# KiCad board SparkFun_RTK_Facet_mosaic_panelized.kicad_pcb
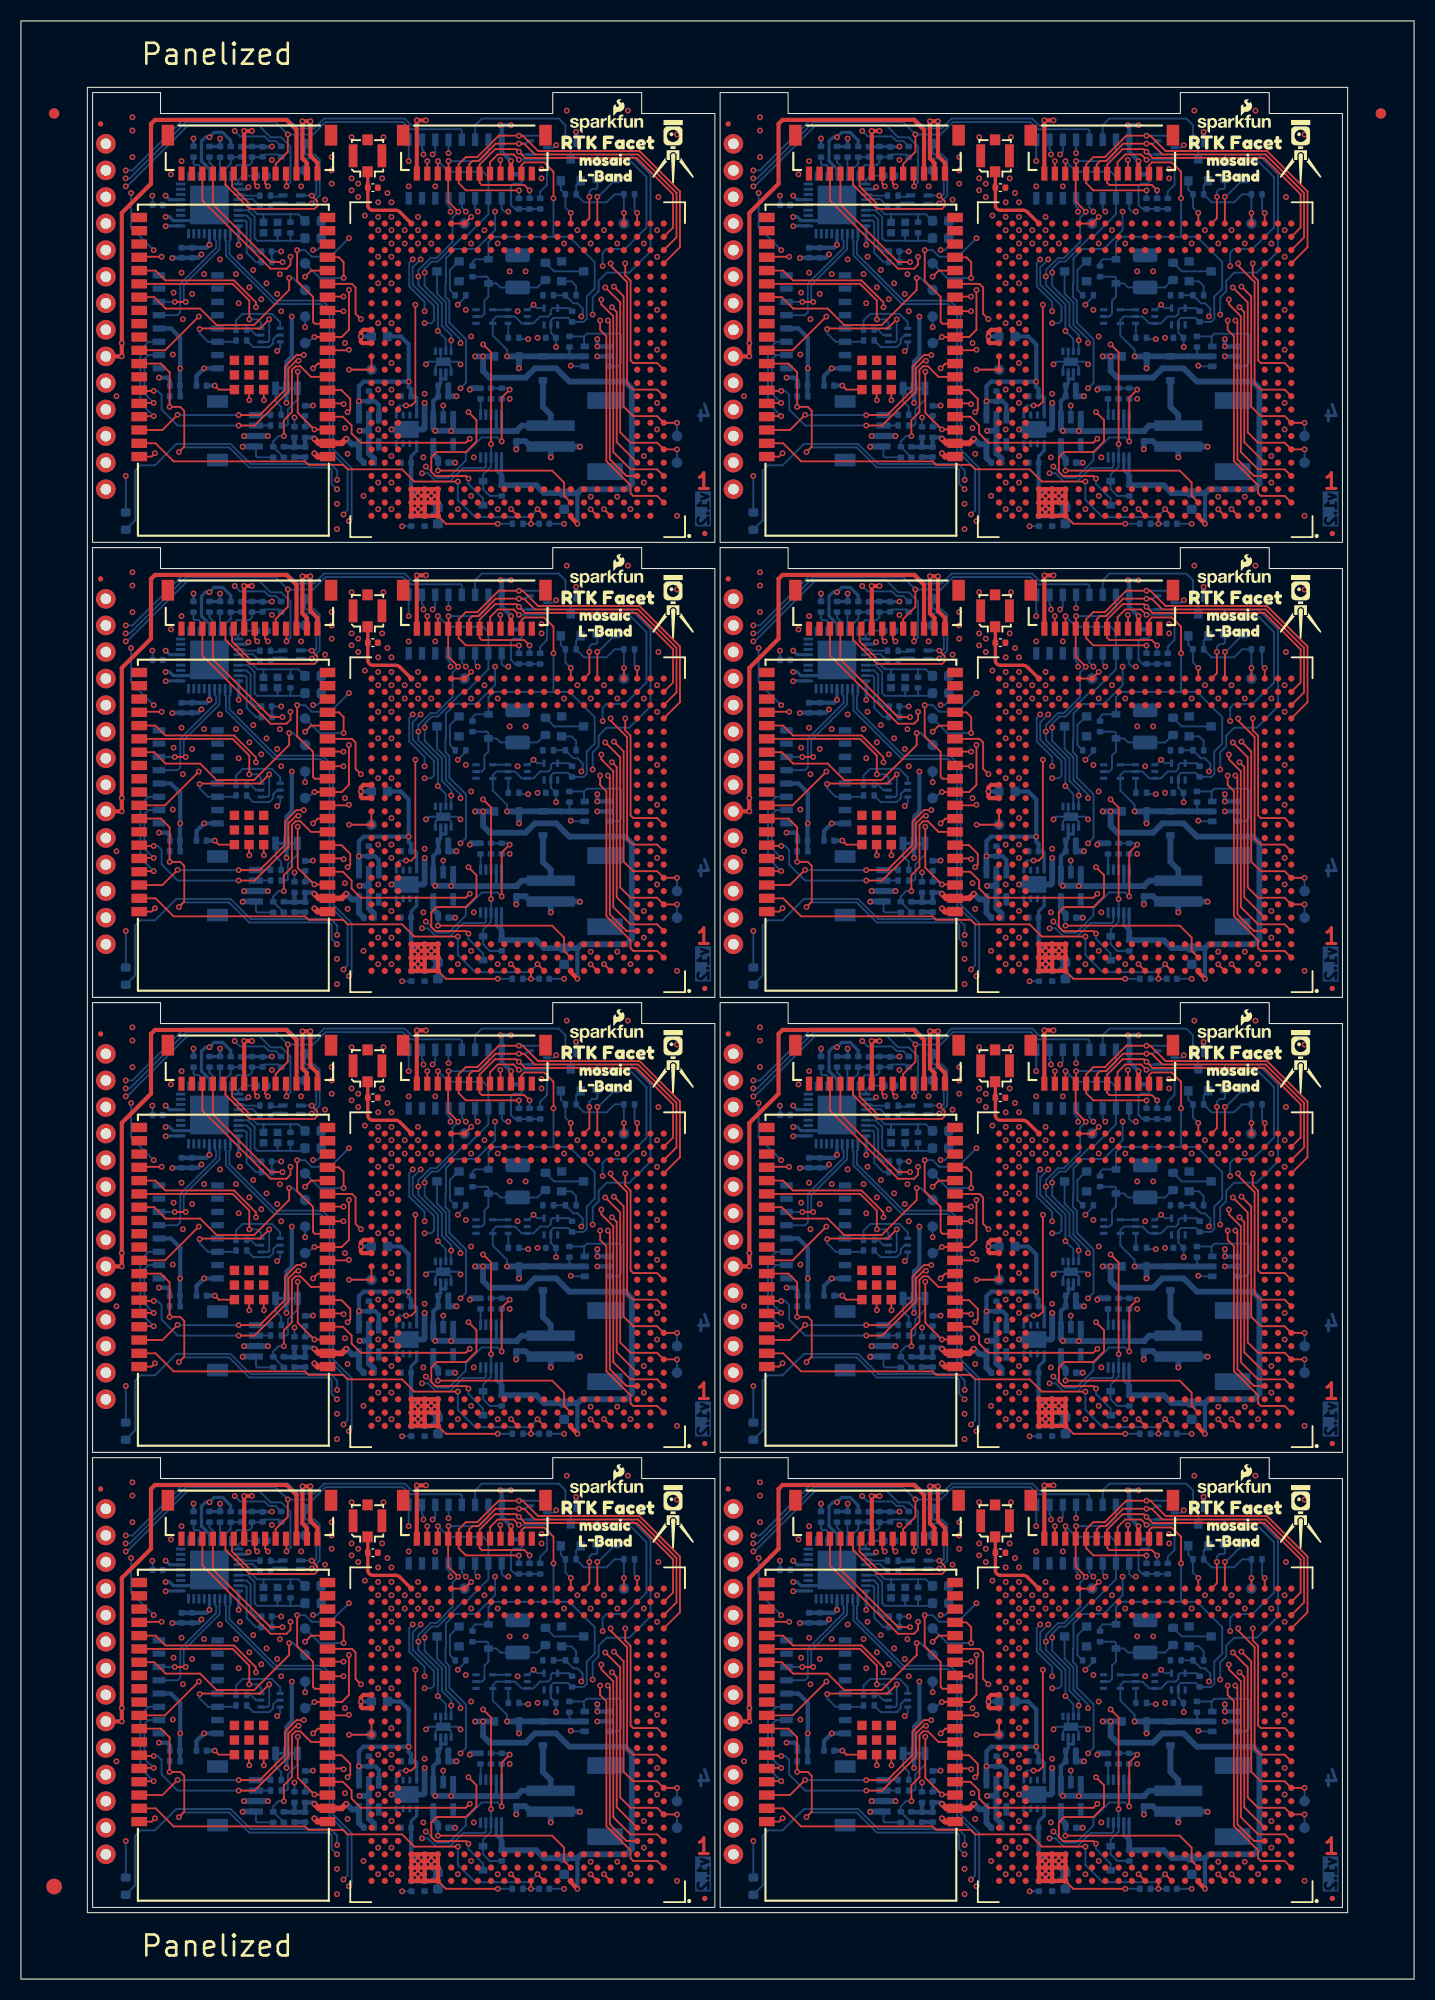
[diagram p0: board, top side]
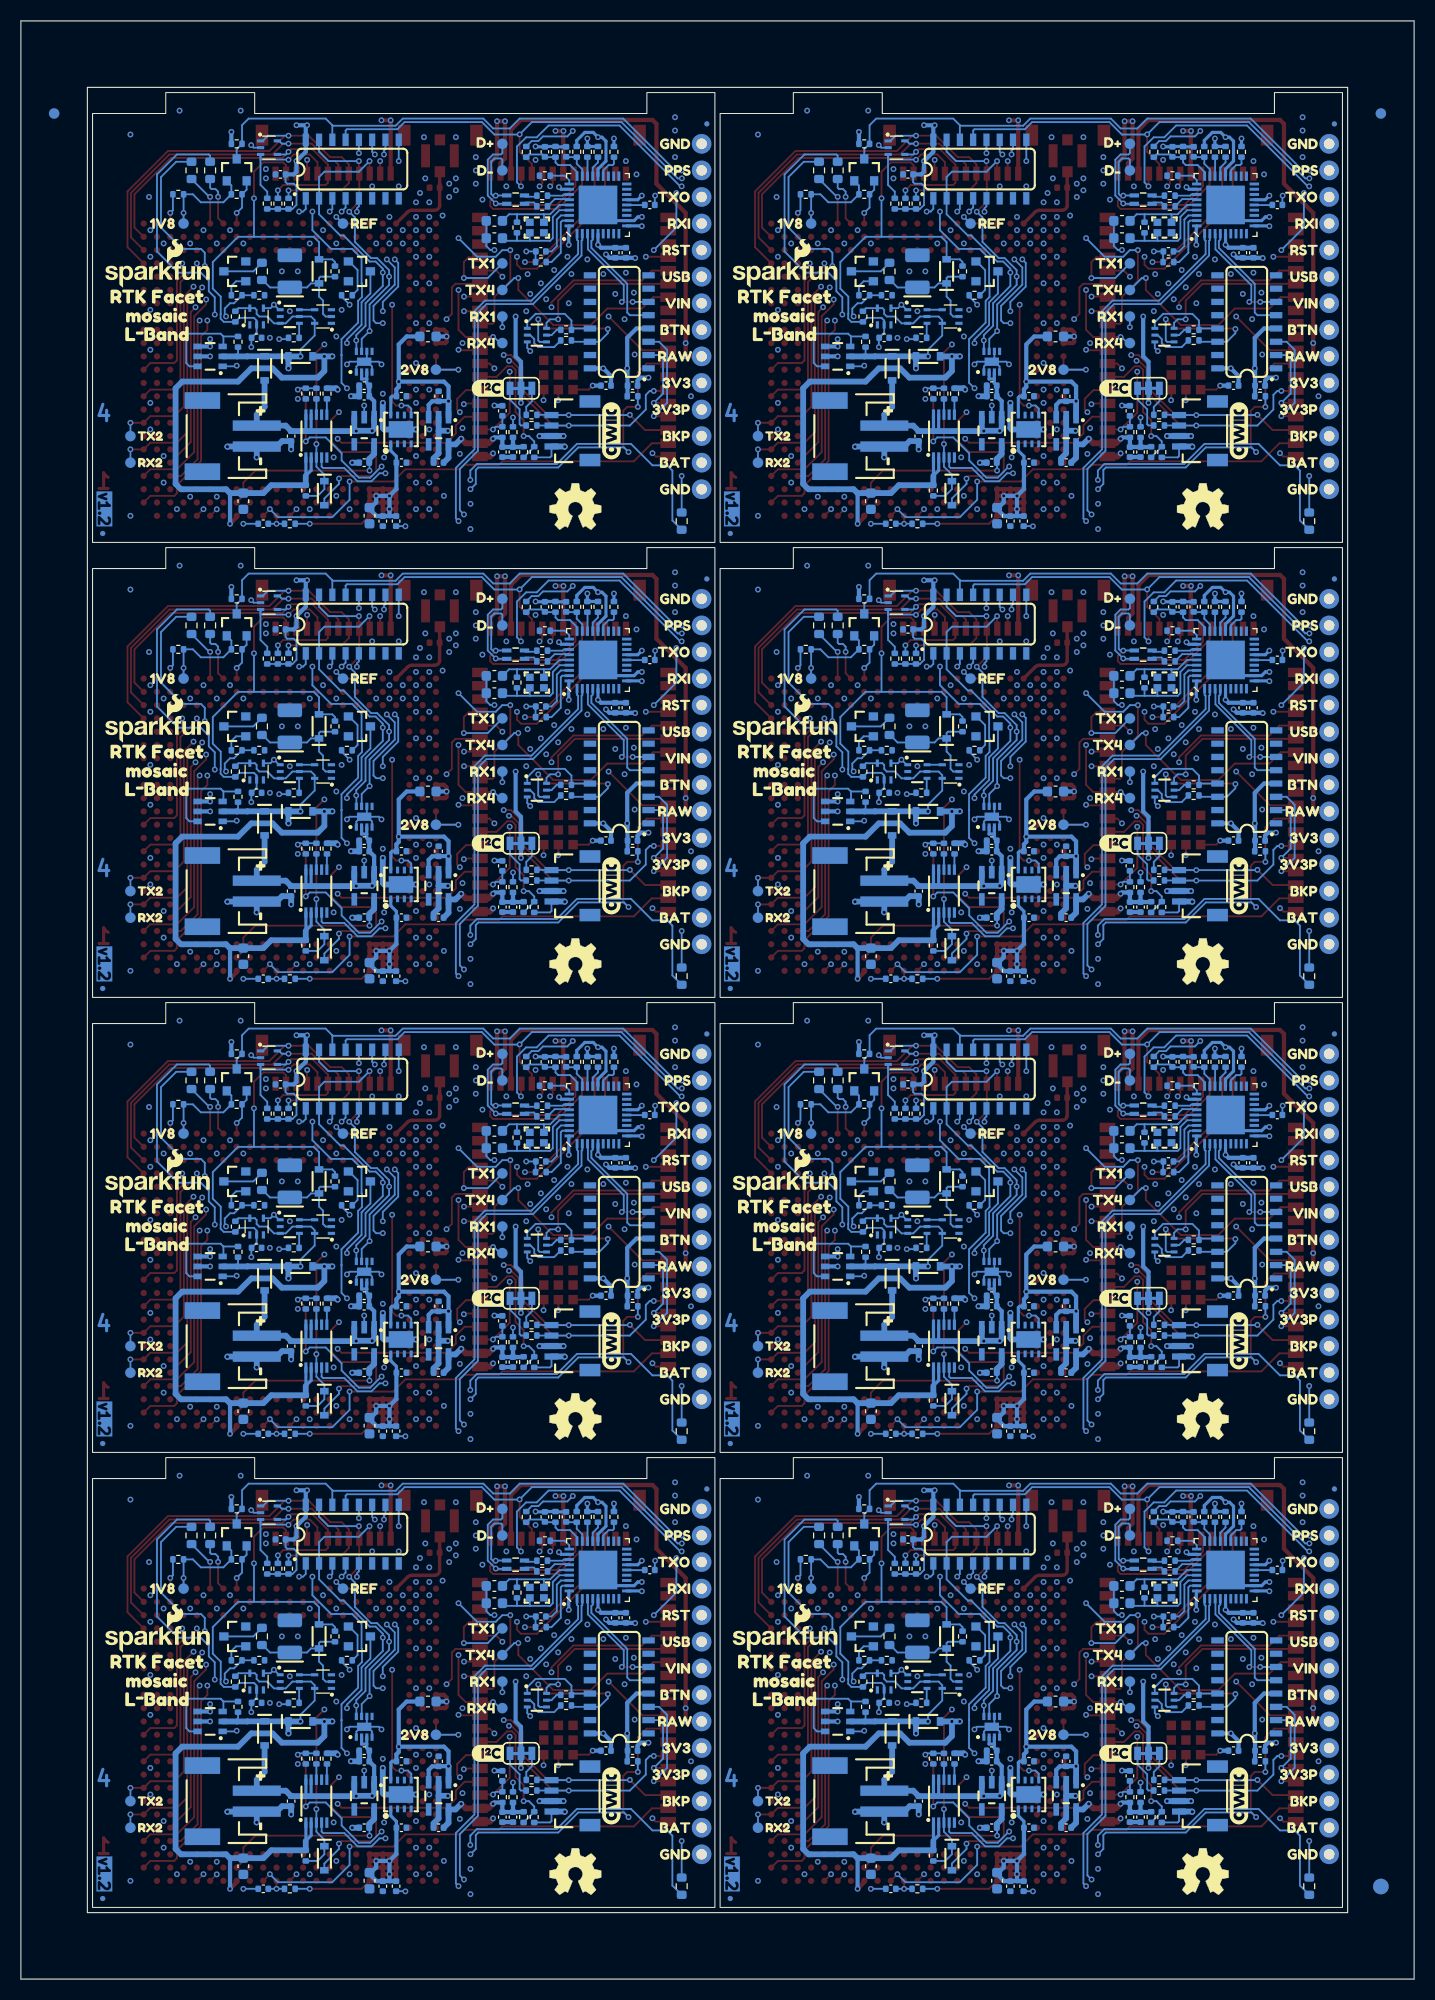
[diagram p1: board, bottom side, seen from below]

Outline 133.2 x 187.2 mm; copper layers: Top, In1.Cu, In2.Cu, Bottom. Coordinates in mm from the lower left corner of the outline.
Outline path: 6.85,137.35 66.35,137.35 66.35,178.35 59.35,178.35 59.35,180.35 50.85,180.35 50.85,178.35 13.35,178.35 13.35,180.35 6.85,180.35 closed ; 6.85,93.85 66.35,93.85 66.35,134.85 59.35,134.85 59.35,136.85 50.85,136.85 50.85,134.85 13.35,134.85 13.35,136.85 6.85,136.85 closed ; 6.85,50.35 66.35,50.35 66.35,91.35 59.35,91.35 59.35,93.35 50.85,93.35 50.85,91.35 13.35,91.35 13.35,93.35 6.85,93.35 closed ; 6.85,6.85 66.35,6.85 66.35,47.85 59.35,47.85 59.35,49.85 50.85,49.85 50.85,47.85 13.35,47.85 13.35,49.85 6.85,49.85 closed ; 66.85,137.35 126.35,137.35 126.35,178.35 119.35,178.35 119.35,180.35 110.85,180.35 110.85,178.35 73.35,178.35 73.35,180.35 66.85,180.35 closed ; 66.85,93.85 126.35,93.85 126.35,134.85 119.35,134.85 119.35,136.85 110.85,136.85 110.85,134.85 73.35,134.85 73.35,136.85 66.85,136.85 closed ; 66.85,50.35 126.35,50.35 126.35,91.35 119.35,91.35 119.35,93.35 110.85,93.35 110.85,91.35 73.35,91.35 73.35,93.35 66.85,93.35 closed ; 66.85,6.85 126.35,6.85 126.35,47.85 119.35,47.85 119.35,49.85 110.85,49.85 110.85,47.85 73.35,47.85 73.35,49.85 66.85,49.85 closed ; 0,187.2 133.2,187.2 133.2,0 0,0 0,187.2 ; 6.35,180.85 126.85,180.85 126.85,6.35 6.35,6.35 6.35,180.85
Stack: Top 0.035mm / dielectric 0.1mm FR4 er 4.5 / In1.Cu 0.035mm / dielectric 1.24mm FR4 er 4.5 / In2.Cu 0.035mm / dielectric 0.1mm FR4 er 4.5 / Bottom 0.035mm

## Placement (name value [footprint] x y rotation side)
C1  10uF  [C_0402_1005Metric]  26.15 15.49 270 bottom
C1#2  10uF  [C_0402_1005Metric]  86.15 58.99 270 bottom
C1#3  10uF  [C_0402_1005Metric]  86.15 102.49 270 bottom
C1#4  10uF  [C_0402_1005Metric]  26.15 102.49 270 bottom
C1#5  10uF  [C_0402_1005Metric]  26.15 58.99 270 bottom
C1#6  10uF  [C_0402_1005Metric]  86.15 145.99 270 bottom
C1#7  10uF  [C_0402_1005Metric]  86.15 15.49 270 bottom
C1#8  10uF  [C_0402_1005Metric]  26.15 145.99 270 bottom
C2  0.1uF  [C_0402_1005Metric]  27.17 15.49 270 bottom
C2#2  0.1uF  [C_0402_1005Metric]  87.17 15.49 270 bottom
C2#3  0.1uF  [C_0402_1005Metric]  27.17 58.99 270 bottom
C2#4  0.1uF  [C_0402_1005Metric]  27.17 145.99 270 bottom
C2#5  0.1uF  [C_0402_1005Metric]  87.17 58.99 270 bottom
C2#6  0.1uF  [C_0402_1005Metric]  27.17 102.49 270 bottom
C2#7  0.1uF  [C_0402_1005Metric]  87.17 145.99 270 bottom
C2#8  0.1uF  [C_0402_1005Metric]  87.17 102.49 270 bottom
C3  0.1uF  [C_0402_1005Metric]  50.03 139.13 0 bottom
C3#2  0.1uF  [C_0402_1005Metric]  110.03 139.13 0 bottom
C3#3  0.1uF  [C_0402_1005Metric]  110.03 8.63 0 bottom
C3#4  0.1uF  [C_0402_1005Metric]  50.03 52.13 0 bottom
C3#5  0.1uF  [C_0402_1005Metric]  50.03 8.63 0 bottom
C3#6  0.1uF  [C_0402_1005Metric]  50.03 95.63 0 bottom
C3#7  0.1uF  [C_0402_1005Metric]  110.03 95.63 0 bottom
C3#8  0.1uF  [C_0402_1005Metric]  110.03 52.13 0 bottom
C4  2.2uF  [C_0402_1005Metric]  14.72 152.34 180 bottom
C4#2  2.2uF  [C_0402_1005Metric]  14.72 108.84 180 bottom
C4#3  2.2uF  [C_0402_1005Metric]  14.72 21.84 180 bottom
C4#4  2.2uF  [C_0402_1005Metric]  74.72 108.84 180 bottom
C4#5  2.2uF  [C_0402_1005Metric]  74.72 152.34 180 bottom
C4#6  2.2uF  [C_0402_1005Metric]  14.72 65.34 180 bottom
C4#7  2.2uF  [C_0402_1005Metric]  74.72 65.34 180 bottom
C4#8  2.2uF  [C_0402_1005Metric]  74.72 21.84 180 bottom
C5  0.1uF  [C_0402_1005Metric]  17.26 152.34 0 bottom
C5#2  0.1uF  [C_0402_1005Metric]  77.26 65.34 0 bottom
C5#3  0.1uF  [C_0402_1005Metric]  77.26 152.34 0 bottom
C5#4  0.1uF  [C_0402_1005Metric]  77.26 108.84 0 bottom
C5#5  0.1uF  [C_0402_1005Metric]  77.26 21.84 0 bottom
C5#6  0.1uF  [C_0402_1005Metric]  17.26 108.84 0 bottom
C5#7  0.1uF  [C_0402_1005Metric]  17.26 65.34 0 bottom
C5#8  0.1uF  [C_0402_1005Metric]  17.26 21.84 0 bottom
C6  0.1uF  [C_0402_1005Metric]  100.38 108.84 0 bottom
C6#2  0.1uF  [C_0402_1005Metric]  100.38 152.34 0 bottom
C6#3  0.1uF  [C_0402_1005Metric]  40.38 65.34 0 bottom
C6#4  0.1uF  [C_0402_1005Metric]  100.38 65.34 0 bottom
C6#5  0.1uF  [C_0402_1005Metric]  40.38 108.84 0 bottom
C6#6  0.1uF  [C_0402_1005Metric]  100.38 21.84 0 bottom
C6#7  0.1uF  [C_0402_1005Metric]  40.38 152.34 0 bottom
C6#8  0.1uF  [C_0402_1005Metric]  40.38 21.84 0 bottom
C7  1.0uF  [C_0402_1005Metric]  36.82 151.32 180 bottom
C7#2  1.0uF  [C_0402_1005Metric]  36.82 107.82 180 bottom
C7#3  1.0uF  [C_0402_1005Metric]  36.82 64.32 180 bottom
C7#4  1.0uF  [C_0402_1005Metric]  36.82 20.82 180 bottom
C7#5  1.0uF  [C_0402_1005Metric]  96.82 64.32 180 bottom
C7#6  1.0uF  [C_0402_1005Metric]  96.82 107.82 180 bottom
C7#7  1.0uF  [C_0402_1005Metric]  96.82 20.82 180 bottom
C7#8  1.0uF  [C_0402_1005Metric]  96.82 151.32 180 bottom
C8  1.0uF  [C_0402_1005Metric]  27.17 19.42 90 bottom
C8#2  1.0uF  [C_0402_1005Metric]  27.17 149.92 90 bottom
C8#3  1.0uF  [C_0402_1005Metric]  87.17 62.92 90 bottom
C8#4  1.0uF  [C_0402_1005Metric]  27.17 106.42 90 bottom
C8#5  1.0uF  [C_0402_1005Metric]  87.17 19.42 90 bottom
C8#6  1.0uF  [C_0402_1005Metric]  27.17 62.92 90 bottom
C8#7  1.0uF  [C_0402_1005Metric]  87.17 149.92 90 bottom
C8#8  1.0uF  [C_0402_1005Metric]  87.17 106.42 90 bottom
C9  2.2uF  [C_0402_1005Metric]  75.36 121.54 270 bottom
C9#2  2.2uF  [C_0402_1005Metric]  15.36 78.04 270 bottom
C9#3  2.2uF  [C_0402_1005Metric]  75.36 78.04 270 bottom
C9#4  2.2uF  [C_0402_1005Metric]  75.36 165.04 270 bottom
C9#5  2.2uF  [C_0402_1005Metric]  75.36 34.54 270 bottom
C9#6  2.2uF  [C_0402_1005Metric]  15.36 121.54 270 bottom
C9#7  2.2uF  [C_0402_1005Metric]  15.36 34.54 270 bottom
C9#8  2.2uF  [C_0402_1005Metric]  15.36 165.04 270 bottom
C10  0.1uF  [C_0402_1005Metric]  83.11 87.69 90 bottom
C10#2  0.1uF  [C_0402_1005Metric]  23.11 174.69 90 bottom
C10#3  0.1uF  [C_0402_1005Metric]  23.11 87.69 90 bottom
C10#4  0.1uF  [C_0402_1005Metric]  83.11 174.69 90 bottom
C10#5  0.1uF  [C_0402_1005Metric]  83.11 44.19 90 bottom
C10#6  0.1uF  [C_0402_1005Metric]  23.11 44.19 90 bottom
C10#7  0.1uF  [C_0402_1005Metric]  83.11 131.19 90 bottom
C10#8  0.1uF  [C_0402_1005Metric]  23.11 131.19 90 bottom
C11  0.1uF  [C_0402_1005Metric]  81.07 131.19 90 bottom
C11#2  0.1uF  [C_0402_1005Metric]  21.07 131.19 90 bottom
C11#3  0.1uF  [C_0402_1005Metric]  21.07 44.19 90 bottom
C11#4  0.1uF  [C_0402_1005Metric]  21.07 87.69 90 bottom
C11#5  0.1uF  [C_0402_1005Metric]  81.07 44.19 90 bottom
C11#6  0.1uF  [C_0402_1005Metric]  21.07 174.69 90 bottom
C11#7  0.1uF  [C_0402_1005Metric]  81.07 174.69 90 bottom
C11#8  0.1uF  [C_0402_1005Metric]  81.07 87.69 90 bottom
C12  0.1uF  [C_0402_1005Metric]  13.07 126.11 180 bottom
C12#2  0.1uF  [C_0402_1005Metric]  13.07 169.61 180 bottom
C12#3  0.1uF  [C_0402_1005Metric]  13.07 82.61 180 bottom
C12#4  0.1uF  [C_0402_1005Metric]  73.07 39.11 180 bottom
C12#5  0.1uF  [C_0402_1005Metric]  13.07 39.11 180 bottom
C12#6  0.1uF  [C_0402_1005Metric]  73.07 169.61 180 bottom
C12#7  0.1uF  [C_0402_1005Metric]  73.07 126.11 180 bottom
C12#8  0.1uF  [C_0402_1005Metric]  73.07 82.61 180 bottom
C13  0.1uF  [C_0402_1005Metric]  23.49 121.66 0 bottom
C13#2  0.1uF  [C_0402_1005Metric]  83.49 78.16 0 bottom
C13#3  0.1uF  [C_0402_1005Metric]  23.49 165.16 0 bottom
C13#4  0.1uF  [C_0402_1005Metric]  23.49 34.66 0 bottom
C13#5  0.1uF  [C_0402_1005Metric]  23.49 78.16 0 bottom
C13#6  0.1uF  [C_0402_1005Metric]  83.49 165.16 0 bottom
C13#7  0.1uF  [C_0402_1005Metric]  83.49 34.66 0 bottom
C13#8  0.1uF  [C_0402_1005Metric]  83.49 121.66 0 bottom
C14  18pF  [C_0603_1608Metric]  87.93 166.43 0 bottom
C14#2  18pF  [C_0603_1608Metric]  27.93 122.93 0 bottom
C14#3  18pF  [C_0603_1608Metric]  27.93 166.43 0 bottom
C14#4  18pF  [C_0603_1608Metric]  87.93 79.43 0 bottom
C14#5  18pF  [C_0603_1608Metric]  87.93 35.93 0 bottom
C14#6  18pF  [C_0603_1608Metric]  27.93 79.43 0 bottom
C14#7  18pF  [C_0603_1608Metric]  87.93 122.93 0 bottom
C14#8  18pF  [C_0603_1608Metric]  27.93 35.93 0 bottom
C15  18pF  [C_0603_1608Metric]  27.93 81.08 0 bottom
C15#2  18pF  [C_0603_1608Metric]  27.93 168.08 0 bottom
C15#3  18pF  [C_0603_1608Metric]  27.93 37.58 0 bottom
C15#4  18pF  [C_0603_1608Metric]  87.93 168.08 0 bottom
C15#5  18pF  [C_0603_1608Metric]  27.93 124.58 0 bottom
C15#6  18pF  [C_0603_1608Metric]  87.93 37.58 0 bottom
C15#7  18pF  [C_0603_1608Metric]  87.93 124.58 0 bottom
C15#8  18pF  [C_0603_1608Metric]  87.93 81.08 0 bottom
C16  4.7uF  [C_0402_1005Metric]  107.36 147.51 270 bottom
C16#2  4.7uF  [C_0402_1005Metric]  47.36 104.01 270 bottom
C16#3  4.7uF  [C_0402_1005Metric]  107.36 104.01 270 bottom
C16#4  4.7uF  [C_0402_1005Metric]  107.36 60.51 270 bottom
C16#5  4.7uF  [C_0402_1005Metric]  47.36 17.01 270 bottom
C16#6  4.7uF  [C_0402_1005Metric]  107.36 17.01 270 bottom
C16#7  4.7uF  [C_0402_1005Metric]  47.36 60.51 270 bottom
C16#8  4.7uF  [C_0402_1005Metric]  47.36 147.51 270 bottom
C17  4.7uF  [C_0603_1608Metric]  111.94 97.79 270 bottom
C17#2  4.7uF  [C_0603_1608Metric]  51.94 54.29 270 bottom
C17#3  4.7uF  [C_0603_1608Metric]  111.94 54.29 270 bottom
C17#4  4.7uF  [C_0603_1608Metric]  51.94 10.79 270 bottom
C17#5  4.7uF  [C_0603_1608Metric]  51.94 141.29 270 bottom
C17#6  4.7uF  [C_0603_1608Metric]  51.94 97.79 270 bottom
C17#7  4.7uF  [C_0603_1608Metric]  111.94 141.29 270 bottom
C17#8  4.7uF  [C_0603_1608Metric]  111.94 10.79 270 bottom
C18  1.0uF  [C_0402_1005Metric]  50.66 69.91 180 bottom
C18#2  1.0uF  [C_0402_1005Metric]  110.66 69.91 180 bottom
C18#3  1.0uF  [C_0402_1005Metric]  50.66 113.41 180 bottom
C18#4  1.0uF  [C_0402_1005Metric]  110.66 156.91 180 bottom
C18#5  1.0uF  [C_0402_1005Metric]  50.66 26.41 180 bottom
C18#6  1.0uF  [C_0402_1005Metric]  110.66 113.41 180 bottom
C18#7  1.0uF  [C_0402_1005Metric]  110.66 26.41 180 bottom
C18#8  1.0uF  [C_0402_1005Metric]  50.66 156.91 180 bottom
C19  47uF  [EIA-3528]  107.49 76.26 90 bottom
C19#2  47uF  [EIA-3528]  107.49 119.76 90 bottom
C19#3  47uF  [EIA-3528]  47.49 76.26 90 bottom
C19#4  47uF  [EIA-3528]  47.49 163.26 90 bottom
C19#5  47uF  [EIA-3528]  47.49 32.76 90 bottom
C19#6  47uF  [EIA-3528]  107.49 32.76 90 bottom
C19#7  47uF  [EIA-3528]  47.49 119.76 90 bottom
C19#8  47uF  [EIA-3528]  107.49 163.26 90 bottom
C21  1.0uF  [C_0402_1005Metric]  36.82 144.97 180 bottom
C21#2  1.0uF  [C_0402_1005Metric]  96.82 14.47 180 bottom
C21#3  1.0uF  [C_0402_1005Metric]  36.82 57.97 180 bottom
C21#4  1.0uF  [C_0402_1005Metric]  96.82 144.97 180 bottom
C21#5  1.0uF  [C_0402_1005Metric]  36.82 101.47 180 bottom
C21#6  1.0uF  [C_0402_1005Metric]  96.82 101.47 180 bottom
C21#7  1.0uF  [C_0402_1005Metric]  96.82 57.97 180 bottom
C21#8  1.0uF  [C_0402_1005Metric]  36.82 14.47 180 bottom
C22  1.0uF  [C_0402_1005Metric]  93.27 107.82 90 bottom
C22#2  1.0uF  [C_0402_1005Metric]  33.27 107.82 90 bottom
C22#3  1.0uF  [C_0402_1005Metric]  93.27 64.32 90 bottom
C22#4  1.0uF  [C_0402_1005Metric]  33.27 20.82 90 bottom
C22#5  1.0uF  [C_0402_1005Metric]  93.27 151.32 90 bottom
C22#6  1.0uF  [C_0402_1005Metric]  93.27 20.82 90 bottom
C22#7  1.0uF  [C_0402_1005Metric]  33.27 151.32 90 bottom
C22#8  1.0uF  [C_0402_1005Metric]  33.27 64.32 90 bottom
C23  1.0uF  [C_0402_1005Metric]  33.27 14.47 0 bottom
C23#2  1.0uF  [C_0402_1005Metric]  93.27 14.47 0 bottom
C23#3  1.0uF  [C_0402_1005Metric]  93.27 144.97 0 bottom
C23#4  1.0uF  [C_0402_1005Metric]  33.27 101.47 0 bottom
C23#5  1.0uF  [C_0402_1005Metric]  33.27 57.97 0 bottom
C23#6  1.0uF  [C_0402_1005Metric]  93.27 101.47 0 bottom
C23#7  1.0uF  [C_0402_1005Metric]  93.27 57.97 0 bottom
C23#8  1.0uF  [C_0402_1005Metric]  33.27 144.97 0 bottom
C24  1.0uF  [C_0402_1005Metric]  40.38 107.82 0 bottom
C24#2  1.0uF  [C_0402_1005Metric]  100.38 64.32 0 bottom
C24#3  1.0uF  [C_0402_1005Metric]  100.38 20.82 0 bottom
C24#4  1.0uF  [C_0402_1005Metric]  100.38 107.82 0 bottom
C24#5  1.0uF  [C_0402_1005Metric]  40.38 151.32 0 bottom
C24#6  1.0uF  [C_0402_1005Metric]  100.38 151.32 0 bottom
C24#7  1.0uF  [C_0402_1005Metric]  40.38 20.82 0 bottom
C24#8  1.0uF  [C_0402_1005Metric]  40.38 64.32 0 bottom
C25  1.0uF  [C_0402_1005Metric]  100.38 14.47 0 bottom
C25#2  1.0uF  [C_0402_1005Metric]  100.38 57.97 0 bottom
C25#3  1.0uF  [C_0402_1005Metric]  40.38 57.97 0 bottom
C25#4  1.0uF  [C_0402_1005Metric]  40.38 144.97 0 bottom
C25#5  1.0uF  [C_0402_1005Metric]  100.38 101.47 0 bottom
C25#6  1.0uF  [C_0402_1005Metric]  40.38 14.47 0 bottom
C25#7  1.0uF  [C_0402_1005Metric]  100.38 144.97 0 bottom
C25#8  1.0uF  [C_0402_1005Metric]  40.38 101.47 0 bottom
C26  0.1uF  [C_0402_1005Metric]  48.38 129.03 0 bottom
C26#2  0.1uF  [C_0402_1005Metric]  48.38 42.03 0 bottom
C26#3  0.1uF  [C_0402_1005Metric]  108.38 129.03 0 bottom
C26#4  0.1uF  [C_0402_1005Metric]  108.38 172.53 0 bottom
C26#5  0.1uF  [C_0402_1005Metric]  108.38 85.53 0 bottom
C26#6  0.1uF  [C_0402_1005Metric]  108.38 42.03 0 bottom
C26#7  0.1uF  [C_0402_1005Metric]  48.38 85.53 0 bottom
C26#8  0.1uF  [C_0402_1005Metric]  48.38 172.53 0 bottom
C27  2.2uF  [C_0402_1005Metric]  37.33 8.88 270 bottom
C27#2  2.2uF  [C_0402_1005Metric]  37.33 139.38 270 bottom
C27#3  2.2uF  [C_0402_1005Metric]  37.33 95.88 270 bottom
C27#4  2.2uF  [C_0402_1005Metric]  97.33 8.88 270 bottom
C27#5  2.2uF  [C_0402_1005Metric]  37.33 52.38 270 bottom
C27#6  2.2uF  [C_0402_1005Metric]  97.33 139.38 270 bottom
C27#7  2.2uF  [C_0402_1005Metric]  97.33 95.88 270 bottom
C27#8  2.2uF  [C_0402_1005Metric]  97.33 52.38 270 bottom
C28  0.1uF  [C_0402_1005Metric]  38.6 8.88 270 bottom
C28#2  0.1uF  [C_0402_1005Metric]  98.6 52.38 270 bottom
C28#3  0.1uF  [C_0402_1005Metric]  98.6 95.88 270 bottom
C28#4  0.1uF  [C_0402_1005Metric]  38.6 139.38 270 bottom
C28#5  0.1uF  [C_0402_1005Metric]  98.6 8.88 270 bottom
C28#6  0.1uF  [C_0402_1005Metric]  98.6 139.38 270 bottom
C28#7  0.1uF  [C_0402_1005Metric]  38.6 95.88 270 bottom
C28#8  0.1uF  [C_0402_1005Metric]  38.6 52.38 270 bottom
C29  22uF  [C_0603_1608Metric]  39.87 139.9 270 bottom
C29#2  22uF  [C_0603_1608Metric]  99.87 9.4 270 bottom
C29#3  22uF  [C_0603_1608Metric]  99.87 139.9 270 bottom
C29#4  22uF  [C_0603_1608Metric]  39.87 9.4 270 bottom
C29#5  22uF  [C_0603_1608Metric]  39.87 52.9 270 bottom
C29#6  22uF  [C_0603_1608Metric]  99.87 96.4 270 bottom
C29#7  22uF  [C_0603_1608Metric]  99.87 52.9 270 bottom
C29#8  22uF  [C_0603_1608Metric]  39.87 96.4 270 bottom
C30  0.1uF  [C_0402_1005Metric]  76.38 34.54 270 bottom
C30#2  0.1uF  [C_0402_1005Metric]  76.38 121.54 270 bottom
C30#3  0.1uF  [C_0402_1005Metric]  16.38 34.54 270 bottom
C30#4  0.1uF  [C_0402_1005Metric]  16.38 165.04 270 bottom
C30#5  0.1uF  [C_0402_1005Metric]  76.38 165.04 270 bottom
C30#6  0.1uF  [C_0402_1005Metric]  76.38 78.04 270 bottom
C30#7  0.1uF  [C_0402_1005Metric]  16.38 121.54 270 bottom
C30#8  0.1uF  [C_0402_1005Metric]  16.38 78.04 270 bottom
D1  PESD0402  [C_0402_1005Metric]  93.65 40.76 180 top
D1#2  PESD0402  [C_0402_1005Metric]  93.65 127.76 180 top
D1#3  PESD0402  [C_0402_1005Metric]  33.65 40.76 180 top
D1#4  PESD0402  [C_0402_1005Metric]  93.65 84.26 180 top
D1#5  PESD0402  [C_0402_1005Metric]  93.65 171.26 180 top
D1#6  PESD0402  [C_0402_1005Metric]  33.65 127.76 180 top
D1#7  PESD0402  [C_0402_1005Metric]  33.65 84.26 180 top
D1#8  PESD0402  [C_0402_1005Metric]  33.65 171.26 180 top
D2  DF5A5.6LFU  [SOT-353]  49.48 88.08 180 bottom
D2#2  DF5A5.6LFU  [SOT-353]  109.48 175.08 180 bottom
D2#3  DF5A5.6LFU  [SOT-353]  49.48 175.08 180 bottom
D2#4  DF5A5.6LFU  [SOT-353]  109.48 88.08 180 bottom
D2#5  DF5A5.6LFU  [SOT-353]  109.48 131.58 180 bottom
D2#6  DF5A5.6LFU  [SOT-353]  109.48 44.58 180 bottom
D2#7  DF5A5.6LFU  [SOT-353]  49.48 131.58 180 bottom
D2#8  DF5A5.6LFU  [SOT-353]  49.48 44.58 180 bottom
D3  BAT60A  [SOD-323]  46.47 111.63 180 bottom
D3#2  BAT60A  [SOD-323]  106.47 111.63 180 bottom
D3#3  BAT60A  [SOD-323]  46.47 155.13 180 bottom
D3#4  BAT60A  [SOD-323]  106.47 24.63 180 bottom
D3#5  BAT60A  [SOD-323]  106.47 155.13 180 bottom
D3#6  BAT60A  [SOD-323]  46.47 68.13 180 bottom
D3#7  BAT60A  [SOD-323]  46.47 24.63 180 bottom
D3#8  BAT60A  [SOD-323]  106.47 68.13 180 bottom
D4  BAT60A  [SOD-323]  109.9 110.49 270 bottom
D4#2  BAT60A  [SOD-323]  49.9 110.49 270 bottom
D4#3  BAT60A  [SOD-323]  49.9 23.49 270 bottom
D4#4  BAT60A  [SOD-323]  49.9 153.99 270 bottom
D4#5  BAT60A  [SOD-323]  109.9 23.49 270 bottom
D4#6  BAT60A  [SOD-323]  49.9 66.99 270 bottom
D4#7  BAT60A  [SOD-323]  109.9 153.99 270 bottom
D4#8  BAT60A  [SOD-323]  109.9 66.99 270 bottom
D5  BAS16J  [SOD-323]  104.7 32.76 90 bottom
D5#2  BAS16J  [SOD-323]  104.7 163.26 90 bottom
D5#3  BAS16J  [SOD-323]  44.7 119.76 90 bottom
D5#4  BAS16J  [SOD-323]  44.7 76.26 90 bottom
D5#5  BAS16J  [SOD-323]  44.7 32.76 90 bottom
D5#6  BAS16J  [SOD-323]  104.7 119.76 90 bottom
D5#7  BAS16J  [SOD-323]  104.7 76.26 90 bottom
D5#8  BAS16J  [SOD-323]  44.7 163.26 90 bottom
D6  BAS16J  [SOD-323]  104.19 98.55 270 bottom
D6#2  BAS16J  [SOD-323]  44.19 11.55 270 bottom
D6#3  BAS16J  [SOD-323]  104.19 142.05 270 bottom
D6#4  BAS16J  [SOD-323]  104.19 55.05 270 bottom
D6#5  BAS16J  [SOD-323]  44.19 55.05 270 bottom
D6#6  BAS16J  [SOD-323]  44.19 142.05 270 bottom
D6#7  BAS16J  [SOD-323]  44.19 98.55 270 bottom
D6#8  BAS16J  [SOD-323]  104.19 11.55 270 bottom
FID1  Fiducial_0.5mm  [Fiducial_0.5mm_Mask1mm]  125.38 138.2 180 bottom
FID1#2  Fiducial_0.5mm  [Fiducial_0.5mm_Mask1mm]  65.38 138.2 180 bottom
FID1#3  Fiducial_0.5mm  [Fiducial_0.5mm_Mask1mm]  65.38 94.7 180 bottom
FID1#4  Fiducial_0.5mm  [Fiducial_0.5mm_Mask1mm]  65.38 7.7 180 bottom
FID1#5  Fiducial_0.5mm  [Fiducial_0.5mm_Mask1mm]  125.38 94.7 180 bottom
FID1#6  Fiducial_0.5mm  [Fiducial_0.5mm_Mask1mm]  125.38 7.7 180 bottom
FID1#7  Fiducial_0.5mm  [Fiducial_0.5mm_Mask1mm]  125.38 51.2 180 bottom
FID1#8  Fiducial_0.5mm  [Fiducial_0.5mm_Mask1mm]  65.38 51.2 180 bottom
FID2  Fiducial_0.5mm  [Fiducial_0.5mm_Mask1mm]  7.62 90.36 180 bottom
FID2#2  Fiducial_0.5mm  [Fiducial_0.5mm_Mask1mm]  67.62 46.86 180 bottom
FID2#3  Fiducial_0.5mm  [Fiducial_0.5mm_Mask1mm]  67.62 90.36 180 bottom
FID2#4  Fiducial_0.5mm  [Fiducial_0.5mm_Mask1mm]  7.62 177.35 180 bottom
FID2#5  Fiducial_0.5mm  [Fiducial_0.5mm_Mask1mm]  7.62 133.85 180 bottom
FID2#6  Fiducial_0.5mm  [Fiducial_0.5mm_Mask1mm]  7.62 46.86 180 bottom
FID2#7  Fiducial_0.5mm  [Fiducial_0.5mm_Mask1mm]  67.62 177.35 180 bottom
FID2#8  Fiducial_0.5mm  [Fiducial_0.5mm_Mask1mm]  67.62 133.85 180 bottom
FID3  Fiducial_0.5mm  [Fiducial_0.5mm_Mask1mm]  7.62 177.35 0 top
FID3#2  Fiducial_0.5mm  [Fiducial_0.5mm_Mask1mm]  67.62 133.85 0 top
FID3#3  Fiducial_0.5mm  [Fiducial_0.5mm_Mask1mm]  67.62 90.36 0 top
FID3#4  Fiducial_0.5mm  [Fiducial_0.5mm_Mask1mm]  7.62 133.85 0 top
FID3#5  Fiducial_0.5mm  [Fiducial_0.5mm_Mask1mm]  7.62 46.86 0 top
FID3#6  Fiducial_0.5mm  [Fiducial_0.5mm_Mask1mm]  7.62 90.36 0 top
FID3#7  Fiducial_0.5mm  [Fiducial_0.5mm_Mask1mm]  67.62 177.35 0 top
FID3#8  Fiducial_0.5mm  [Fiducial_0.5mm_Mask1mm]  67.62 46.86 0 top
FID4  Fiducial_0.5mm  [Fiducial_0.5mm_Mask1mm]  125.38 138.2 0 top
FID4#2  Fiducial_0.5mm  [Fiducial_0.5mm_Mask1mm]  65.38 51.2 0 top
FID4#3  Fiducial_0.5mm  [Fiducial_0.5mm_Mask1mm]  125.38 51.2 0 top
FID4#4  Fiducial_0.5mm  [Fiducial_0.5mm_Mask1mm]  65.38 94.7 0 top
FID4#5  Fiducial_0.5mm  [Fiducial_0.5mm_Mask1mm]  125.38 7.7 0 top
FID4#6  Fiducial_0.5mm  [Fiducial_0.5mm_Mask1mm]  65.38 138.2 0 top
FID4#7  Fiducial_0.5mm  [Fiducial_0.5mm_Mask1mm]  65.38 7.7 0 top